# Altium PCB ST1-1-BASIS.PcbDoc (part 6 of 7) (continued)
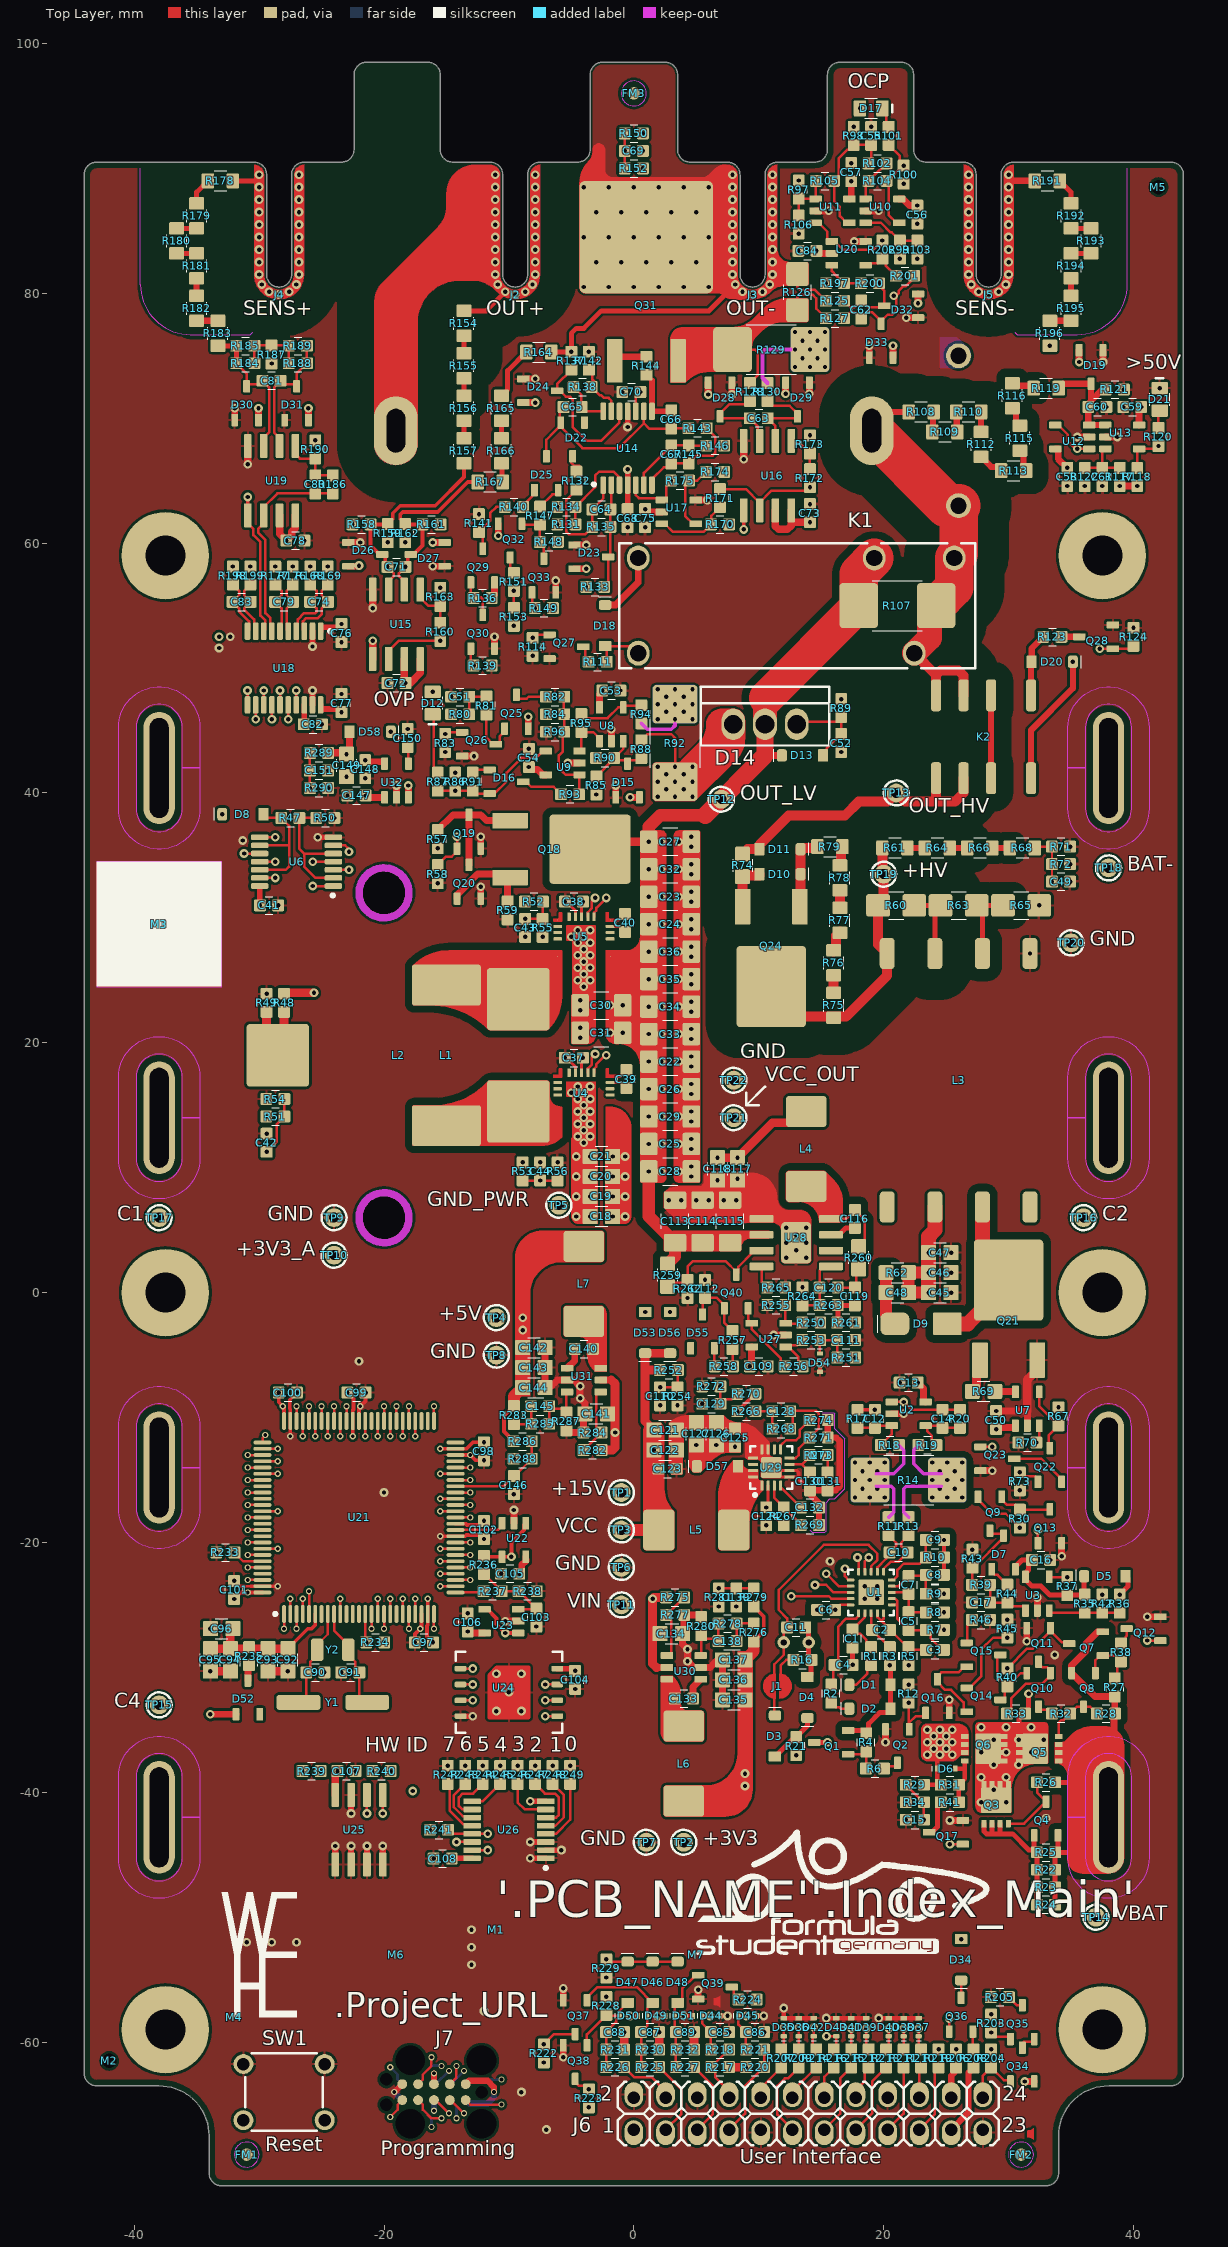
[diagram p0: Top Layer view]
## Nets (pads, with @x,y where several pads share a name; then routed paths per layer and width w, separated by ;. In a path a pad name is that pad's centre, name@x,y a point inside that pad or via, vN(x,y) a via of type N, cw(c..) or ccw(c..) an arc to the next point about the centre after c; other vN are vias at no path point) (continued)
VREF/2: C12.1 R17.1 R146.2 R158.2 R159.2 R161.1 R162.1 R163.2 R170.2 R173.2 R174.1 R176.1 R187.2 R190.2 R197.2 U15.5 U16.5 U18.8 U19.5 U23.1@-9.25,-27.25 U23.4 | length 426.6
  Top Layer w0.2: U19.5@-30.905,62.22 -30.905,61.57 -30.45,61.115 -30.45,60.65 -29.9,60.1 -29.9,54.2 -29.5,53.8 -29.5,53.075 U18.8@-29.625,52.95
  Top Layer w0.3: U19.5@-30.905,62.22 v1(-30.905,63.695) ; U23.4@-11.95,-25.35 -11.725,-25.35 -11,-26.075 -11,-26.55 v1(-10.3,-27.25) U23.1@-9.25,-27.25 ; v1(8.795,61.1) U16.5@8.795,62.62 ; R17.1@17.9,-9.375 v1(19.3,-9.375)
  Top Layer w0.6: U15.5@-20.905,50.72 v1(-20.905,52.195)
  Mid 1 w0.2: v1(-27.3,58.125) -27.8,57.625 -27.8,57.1 -26.5,55.8 -20.034,55.8 -18.934,54.7 -15.3,54.7 -8,62 -8,66.966 -0.866,74.1 1.666,74.1 5.766,70 8.266,70 11.466,66.8 13.8,66.8 14.1,67.1 v1(14.1,68.625)
  Mid 4 w0.3: v1(-30.905,63.695) -26.305,63.695 ; v1(-29,74.375) -29,71.725 v1(-25.5,68.225) -25.5,64.5 -26.305,63.695 ; v1(-22.525,61.5) -21.125,61.5 v1(-19.7,60.075) v1(-18.3,60.075) -18.223,60.152 -16.875,61.5 v1@-15.367,61.5 ; v1(-20.905,52.195) -21.555,52.845 -21.555,55.569 -21.305,55.819 -21.305,56.425 ; v1(-15.475,61.5) -14.975,62 -13.7,62 ; v1(-10.3,-27.25) -9.45,-27.25 -6.1,-23.9 -6.1,-16.5 -3.8,-14.2 ; v1(7.225,67.8) v1(7.225,65.7) 7.625,65.3 v1(7.625,61.5) ; v1(8.795,61.1) 8.025,61.1 v1(7.625,61.5) ; v1(14.1,68.625) 14.6,69.125 14.6,69.9 cw(c19.187,69.9) 15.943,73.143 17,74.2 17,76.4 15.5,77.9 13.2,77.9 ; v1(15.375,80.8) 13.2,78.625 13.2,77.9 ; v1(19.3,-9.375) 22.3,-12.375 22.3,-16.4 21.5,-17.2 11.6,-17.2 8.6,-14.2 -3.8,-14.2 ; -26.305,63.695 -26.305,61.205 -21.525,56.425 -21.305,56.425 ; -21.305,56.425 v1(-15.5,56.425) -15.523,56.448 -15.523,56.852 -15.45,56.925 -15.45,57.975 -13.7,59.725 -13.7,62 ; -13.7,62 -12,63.7 -12,65.925 -11.325,66.6 ; -11.325,66.6 -11.325,70.975 -5.5,76.8 11.6,76.8 12.7,77.9 13.2,77.9 ; -11.325,66.6 -7.6,66.6 -5,64 -5,55.4 ; -5,55.4 1.525,55.4 v1(7.625,61.5) ; -5,55.4 -5,44.696 -7,42.696 -7,30.5 -8.3,29.2 -9.4,29.2 -12,31.8 -12.6,31.8 -14.3,33.5 -16.6,33.5 -20.2,37.1 -22.6,37.1 -23.4,36.3 -24.4,36.3 -25,35.7 -26.2,35.7 -28,37.5 -29.3,37.5 -29.9,36.9 -29.9,32.7 -29.2,32 -29.2,29.3 -30.05,28.45 -30.05,17.35 -28.6,15.9 -28.6,5.6 -22.3,-0.7 -18.5,-0.7 -11,6.8 -11,9.9 -9.4,11.5 -8.6,11.5 -8.2,11.1 -8.2,6.2 -13.6,0.8 -13.6,-4.4 -3.8,-14.2
VREF/2_UC: R237.1 U21.26 | length 2.3
  Top Layer w0.2: U21.26@-14.275,-24 -12.125,-24 R237.1@-12.025,-23.9
VREF_UC: U21.36 U22.3 | length 4.1
  Top Layer w0.2: U21.36@-14.275,-19 -10.875,-19 -10.55,-18.675 U22.3@-10.55,-18.45
pads on no net: D7.1@28,-22.4 D15.1@-2.1,39.4 D16.1@-11.8,42.5 D19.1@38.2,75.7 D22.1 D23.1@-5,60.5 D24.1@-9.1,73.8 D25.1@-8.6,64 D26.1@-23.1,60.7 D27.1@-14.9,57.5 D28.1@8.5,73.1 D29.1@14.7,73.1 D30.1@-32.6,69.6 D31.1@-28.6,69.6 D32.1@23,77.4 D33.1@18.2,74.6 D52.1@-32.5,-34 D52.2 D55.1 FM1.1 FM2.1 FM3.1 FM4.1 FM5.1 FM6.1 J7.M L3.1 L3.4 M2.0 M5.0 Q1.1@17.4,-37.6 Q2.1@22.7,-34.7 Q3.1@27.4,-42.6 Q4.1@31.4,-43.7 Q5.1@34.1,-38.1 Q6.1@26.4,-34.9 Q7.1@37.8,-29.7 Q8.1@37.6,-30.2 Q9.1@30.1,-16.1 Q10.1@34,-30.2 Q11.1@34,-26.6 Q12.1@42.4,-28.5 Q13.1@31.7,-20.3 Q14.1@26.4,-31 Q15.1@26.4,-27.4 Q16.1@22.7,-33.9 Q17.1@26.6,-44.8 Q18.1@-10,36.25 Q19.1@-14.8,35.3 Q20.1@-14.8,31.3 Q21.1@29.25,-5.5 Q22.1@31.7,-15.4 Q23.1@27.5,-11.7 Q24.1@11.75,31 Q25.1@-11,44.9 Q26.1@-14,45.5 Q27.1@-7,53.3 Q28.1@38.6,50.9 Q29.1@-13.7,56.6 Q30.1@-13.7,51.3 Q31.1@-0.3,73.6 Q32.1@-8.3,61.8 Q33.1@-8.8,55.8 Q34.1@29.5,-63.4 Q35.1@29.5,-60 Q36.1@24.6,-59.4 Q37.1@-3.1,-56.4 Q38.1@-3.1,-60 Q39.1@4.9,-54 Q40.1@6.6,-1.5 U1.1@21.2,-25.5 U1.EP@18.44,-23.44 U1.EP@18.44,-24.56 U1.EP@19.56,-23.44 U1.EP@19.56,-24.56 U2.1@20.4,-8.1 U3.1@30.7,-25.7 U4.1 U4.2 U4.3 U4.4 U4.8 U4.9 U4.16 U5.1 U5.2 U5.3 U5.4 U5.8 U5.9 U5.16 U7.1@29.9,-10.9 U8.1@-3.4,43.9 U9.1@-4.1,40.8 U10.1@18.3,88.2 U11.1@14.3,88.2 U12.1@36.7,66.9 U13.1@37.5,70.1 U15.1@-16.3,56 U16.1@13.4,67.9 U17.1@2,64.1 U19.1@-26.3,67.5 U20.1@15.6,84.8 U21.7 U21.11 U21.12 U21.13 U21.19 U21.47 U21.50 U21.52 U21.53 U21.61 U21.83 U21.85 U21.89 U21.91 U21.97 U22.1@-8,-18.2 U23.1@-9,-27.9 U24.1@-14.7,-29.375 U25.1@-24.7,-45.5 U27.1@12.4,-5 U28.1@10.5,6.7 U28.6 U29.10 U29.14 U30.1@5.6,-31.6 U31.1@-5.6,-5.4 U32.1@-20.6,39.4

## Polygon pours and split planes (outlines as drawn)
GND on Top Layer "GND_L01_P320" (solid, remove dead copper, pour order 320): -43,-63 cw(c-43,-62.5) -43.5,-62.5 -43.5,89.5 cw(c-43,89.5) -43,90 -30.5,90 cw(c-30.5,89.5) -30,89.5 -30,81.5 ccw(c-28.5,81.5) -28.5,80 ccw(c-28.5,81.5) -27,81.5 -27,89.5 cw(c-26.5,89.5) -26.5,90 -23.5,90 ccw(c-23.5,91.5) -22,91.5 -22,97.5 cw(c-21.5,97.5) -21.5,98 -16.5,98 cw(c-16.5,97.5) -16,97.5 -16,91.5 ccw(c-14.5,91.5) -14.5,90 -11.5,90 cw(c-11.5,89.5) -11,89.5 -11,81.5 ccw(c-9.5,81.5) -9.5,80 ccw(c-9.5,81.5) -8,81.5 -8,89.5 cw(c-7.5,89.5) -7.5,90 -4.5,90 ccw(c-4.5,91.5) -3,91.5 -3,97.5 cw(c-2.5,97.5) -2.5,98 2.5,98 cw(c2.5,97.5) 3,97.5 3,91.5 ccw(c4.5,91.5) 4.5,90 7.5,90 cw(c7.5,89.5) 8,89.5 8,81.5 ccw(c9.5,81.5) 9.5,80 ccw(c9.5,81.5) 11,81.5 11,89.5 cw(c11.5,89.5) 11.5,90 14.5,90 ccw(c14.5,91.5) 16,91.5 16,97.5 cw(c16.5,97.5) 16.5,98 21.5,98 cw(c21.5,97.5) 22,97.5 22,91.5 ccw(c23.5,91.5) 23.5,90 26.5,90 cw(c26.5,89.5) 27,89.5 27,81.5 ccw(c28.5,81.5) 28.5,80 ccw(c28.5,81.5) 30,81.5 30,89.5 cw(c30.5,89.5) 30.5,90 43,90 cw(c43,89.5) 43.5,89.5 43.5,-62.5 cw(c43,-62.5) 43,-63 38,-63 ccw(c38,-67.5) 33.5,-67.5 33.5,-70.5 cw(c33,-70.5) 33,-71 -33,-71 cw(c-33,-70.5) -33.5,-70.5 -33.5,-67.5 ccw(c-38,-67.5) -38,-63
TERM_N on Top Layer "TERM_N_L01_P319" (solid, remove dead copper, pour order 319): -3.9,80 cw(c-3.9,80.45) -4.35,80.45 -4.35,88.798 cw(c-1.81,88.798) -3.606,90.594 -3.6,90.6 ccw(c-4.324,91.324) -3.3,91.324 -3.3,97.5 cw(c-2.5,97.5) -2.5,98.3 2.5,98.3 cw(c2.5,97.5) 3.3,97.5 3.3,91.5 ccw(c4.5,91.5) 4.5,90.3 7.5,90.3 cw(c7.5,89.5) 8.3,89.5 8.3,82.4 cw(c5.9,82.4) 5.9,80
GND on Bottom Layer "GND_L06_P337" (solid, remove dead copper, pour order 337): -43,-63 cw(c-43,-62.5) -43.5,-62.5 -43.5,89.5 cw(c-43,89.5) -43,90 -30.5,90 cw(c-30.5,89.5) -30,89.5 -30,81.5 ccw(c-28.5,81.5) -28.5,80 ccw(c-28.5,81.5) -27,81.5 -27,89.5 cw(c-26.5,89.5) -26.5,90 -23.5,90 ccw(c-23.5,91.5) -22,91.5 -22,97.5 cw(c-21.5,97.5) -21.5,98 -16.5,98 cw(c-16.5,97.5) -16,97.5 -16,91.5 ccw(c-14.5,91.5) -14.5,90 -11.5,90 cw(c-11.5,89.5) -11,89.5 -11,81.5 ccw(c-9.5,81.5) -9.5,80 ccw(c-9.5,81.5) -8,81.5 -8,89.5 cw(c-7.5,89.5) -7.5,90 -4.5,90 ccw(c-4.5,91.5) -3,91.5 -3,97.5 cw(c-2.5,97.5) -2.5,98 2.5,98 cw(c2.5,97.5) 3,97.5 3,91.5 ccw(c4.5,91.5) 4.5,90 7.5,90 cw(c7.5,89.5) 8,89.5 8,81.5 ccw(c9.5,81.5) 9.5,80 ccw(c9.5,81.5) 11,81.5 11,89.5 cw(c11.5,89.5) 11.5,90 14.5,90 ccw(c14.5,91.5) 16,91.5 16,97.5 cw(c16.5,97.5) 16.5,98 21.5,98 cw(c21.5,97.5) 22,97.5 22,91.5 ccw(c23.5,91.5) 23.5,90 26.5,90 cw(c26.5,89.5) 27,89.5 27,81.5 ccw(c28.5,81.5) 28.5,80 ccw(c28.5,81.5) 30,81.5 30,89.5 cw(c30.5,89.5) 30.5,90 43,90 cw(c43,89.5) 43.5,89.5 43.5,-62.5 cw(c43,-62.5) 43,-63 38,-63 ccw(c38,-67.5) 33.5,-67.5 33.5,-70.5 cw(c33,-70.5) 33,-71 -33,-71 cw(c-33,-70.5) -33.5,-70.5 -33.5,-67.5 ccw(c-38,-67.5) -38,-63
TERM_N on Bottom Layer "TERM_N_L06_P336" (solid, remove dead copper, pour order 336): 9.5,79.5 11.448,79.5 cw(c11.448,76.96) 13.244,78.756 17.256,74.744 ccw(c19.052,76.54) 19.052,74 26,74 ccw(c26,75) 26.707,74.293 ccw(c26,75) 27,75 ccw(c26,75) 26.707,75.707 22.744,79.67 cw(c24.54,81.466) 22,81.466 22,87.76 ccw(c19.46,87.76) 19.46,90.3 11.5,90.3 ccw(c11.5,89.5) 10.7,89.5 10.7,81.5 cw(c9.5,81.5) 9.5,80.3
TERM_N on Bottom Layer "TERM_N_L06_P335" (solid, remove dead copper, pour order 335): -3.9,80 cw(c-3.9,80.45) -4.35,80.45 -4.35,88.55 cw(c-2.177,88.55) -3.714,90.086 -3.495,90.305 ccw(c-4.69,91.5) -3,91.5 -3,97.5 cw(c-2.5,97.5) -2.5,98 2.5,98 cw(c2.5,97.5) 3,97.5 3,91.5 ccw(c4.5,91.5) 4.5,90 7,90 7,80
GND on Mid 4 "GND_L05_P334" (solid, remove dead copper, pour order 334): -43,-63 cw(c-43,-62.5) -43.5,-62.5 -43.5,89.5 cw(c-43,89.5) -43,90 -30.5,90 cw(c-30.5,89.5) -30,89.5 -30,81.5 ccw(c-28.5,81.5) -28.5,80 ccw(c-28.5,81.5) -27,81.5 -27,89.5 cw(c-26.5,89.5) -26.5,90 -23.5,90 ccw(c-23.5,91.5) -22,91.5 -22,97.5 cw(c-21.5,97.5) -21.5,98 -16.5,98 cw(c-16.5,97.5) -16,97.5 -16,91.5 ccw(c-14.5,91.5) -14.5,90 -11.5,90 cw(c-11.5,89.5) -11,89.5 -11,81.5 ccw(c-9.5,81.5) -9.5,80 ccw(c-9.5,81.5) -8,81.5 -8,89.5 cw(c-7.5,89.5) -7.5,90 -4.5,90 ccw(c-4.5,91.5) -3,91.5 -3,97.5 cw(c-2.5,97.5) -2.5,98 2.5,98 cw(c2.5,97.5) 3,97.5 3,91.5 ccw(c4.5,91.5) 4.5,90 7.5,90 cw(c7.5,89.5) 8,89.5 8,81.5 ccw(c9.5,81.5) 9.5,80 ccw(c9.5,81.5) 11,81.5 11,89.5 cw(c11.5,89.5) 11.5,90 14.5,90 ccw(c14.5,91.5) 16,91.5 16,97.5 cw(c16.5,97.5) 16.5,98 21.5,98 cw(c21.5,97.5) 22,97.5 22,91.5 ccw(c23.5,91.5) 23.5,90 26.5,90 cw(c26.5,89.5) 27,89.5 27,81.5 ccw(c28.5,81.5) 28.5,80 ccw(c28.5,81.5) 30,81.5 30,89.5 cw(c30.5,89.5) 30.5,90 43,90 cw(c43,89.5) 43.5,89.5 43.5,-62.5 cw(c43,-62.5) 43,-63 38,-63 ccw(c38,-67.5) 33.5,-67.5 33.5,-70.5 cw(c33,-70.5) 33,-71 -33,-71 cw(c-33,-70.5) -33.5,-70.5 -33.5,-67.5 ccw(c-38,-67.5) -38,-63
GND_PWR on Mid 4 "GND_PWR_L05_P333" (solid, remove dead copper, pour order 333): 18,-8.297 ccw(c19.527,-8.297) 18.447,-9.376 11.376,-16.447 -2.414,-2.657 cw(c6.243,6) -6,6 -6,40.948 cw(c-3.46,40.948) -5.256,42.744 9.256,57.256 ccw(c7.46,59.052) 10,59.052 10,73.516 cw(c12.54,73.516) 10.744,75.312 12.641,77.209 cw(c12.86,76.99) 12.86,77.3 15.34,77.3 cw(c15.34,76.99) 15.559,77.209 17.256,75.512 cw(c15.46,73.716) 18,73.716
TERM_N on Mid 4 "TERM_N_L05_P332" (solid, remove dead copper, pour order 332): 9.5,79.5 11.448,79.5 cw(c11.448,76.96) 13.244,78.756 17.256,74.744 ccw(c19.052,76.54) 19.052,74 26,74 ccw(c26,75) 26.707,74.293 ccw(c26,75) 27,75 ccw(c26,75) 26.707,75.707 22.744,79.67 cw(c24.54,81.466) 22,81.466 22,87.76 ccw(c19.46,87.76) 19.46,90.3 11.5,90.3 ccw(c11.5,89.5) 10.7,89.5 10.7,81.5 cw(c9.5,81.5) 9.5,80.3
+3V3 on Mid 3 (PWR) "+3V3_L04_P331" (solid, remove dead copper, pour order 331): -43,-63 cw(c-43,-62.5) -43.5,-62.5 -43.5,89.5 cw(c-43,89.5) -43,90 -30.5,90 cw(c-30.5,89.5) -30,89.5 -30,81.5 ccw(c-28.5,81.5) -28.5,80 ccw(c-28.5,81.5) -27,81.5 -27,89.5 cw(c-26.5,89.5) -26.5,90 -23.5,90 ccw(c-23.5,91.5) -22,91.5 -22,97.5 cw(c-21.5,97.5) -21.5,98 -16.5,98 cw(c-16.5,97.5) -16,97.5 -16,91.5 ccw(c-14.5,91.5) -14.5,90 -11.5,90 cw(c-11.5,89.5) -11,89.5 -11,81.5 ccw(c-9.5,81.5) -9.5,80 ccw(c-9.5,81.5) -8,81.5 -8,89.5 cw(c-7.5,89.5) -7.5,90 -4.5,90 ccw(c-4.5,91.5) -3,91.5 -3,97.5 cw(c-2.5,97.5) -2.5,98 2.5,98 cw(c2.5,97.5) 3,97.5 3,91.5 ccw(c4.5,91.5) 4.5,90 7.5,90 cw(c7.5,89.5) 8,89.5 8,81.5 ccw(c9.5,81.5) 9.5,80 ccw(c9.5,81.5) 11,81.5 11,89.5 cw(c11.5,89.5) 11.5,90 14.5,90 ccw(c14.5,91.5) 16,91.5 16,97.5 cw(c16.5,97.5) 16.5,98 21.5,98 cw(c21.5,97.5) 22,97.5 22,91.5 ccw(c23.5,91.5) 23.5,90 26.5,90 cw(c26.5,89.5) 27,89.5 27,81.5 ccw(c28.5,81.5) 28.5,80 ccw(c28.5,81.5) 30,81.5 30,89.5 cw(c30.5,89.5) 30.5,90 43,90 cw(c43,89.5) 43.5,89.5 43.5,-62.5 cw(c43,-62.5) 43,-63 38,-63 ccw(c38,-67.5) 33.5,-67.5 33.5,-70.5 cw(c33,-70.5) 33,-71 -33,-71 cw(c-33,-70.5) -33.5,-70.5 -33.5,-67.5 ccw(c-38,-67.5) -38,-63
BAT- on Mid 3 (PWR) "BAT-_L04_P329" (solid, remove dead copper, pour order 329): 39.5,46.5 cw(c39.5,45) 41,45 41,41.741 ccw(c41.341,41.741) 41.1,41.5 cw(c40.859,41.259) 41.2,41.259 41.2,24.8 cw(c40.476,24.8) 40.988,24.288 35.441,18.741 ccw(c35.783,18.4) 35.3,18.4 35.3,-2.848 cw(c32.76,-2.848) 34.556,-4.644 27.9,-11.3 ccw(c29.107,-12.507) 27.4,-12.507 27.4,-14.816 cw(c24.86,-14.816) 26.656,-16.612 26.559,-16.709 cw(c26.34,-16.49) 26.34,-16.8 21.3,-16.8 cw(c21.3,-16.5) 21,-16.5 21,-13.6 ccw(c20.1,-13.6) 20.1,-12.7 17.7,-12.7 cw(c17.7,-12) 17,-12 17,-8 cw(c18,-8) 18,-7 ccw(c18,1) 26,1 26,43.96 cw(c28.54,43.96) 28.54,46.5
BAT- on Mid 3 (PWR) "BAT-_L04_P327" (solid, remove dead copper, pour order 327): 17.5,-18 ccw(c17.5,-21) 14.5,-21 14.5,-28 ccw(c15.707,-28) 14.854,-28.854 15.756,-29.756 ccw(c17.552,-27.96) 17.552,-30.5 21.748,-30.5 ccw(c21.748,-27.96) 23.544,-29.756 25.256,-28.044 ccw(c23.46,-26.248) 26,-26.248 26,-24 cw(c27.449,-24) 26.424,-22.976 28.434,-20.966 ccw(c27.069,-19.6) 29,-19.6 29,-19 ccw(c28,-19) 28,-18
VIN on Mid 3 (PWR) "VIN_L04_P330" (solid, remove dead copper, pour order 330): 26,2 ccw(c24,2) 24,4 23.5,4 ccw(c23.5,2.5) 22,2.5 cw(c17.5,2.5) 17.5,-2 13,-2 cw(c13,11) 0,11 ccw(c-1,11) -1,12 -6.5,12 ccw(c-6.5,9.5) -9,9.5 -9,-18 ccw(c12,-18) 12,-39 21.879,-39 ccw(c21.879,-33.379) 25.854,-37.354 ccw(c25.5,-37) 26,-37
OUT_LV on Mid 3 (PWR) "OUT_LV_L04_P325" (solid, remove dead copper, pour order 325): 2.6,36.1 ccw(c2.2,36.1) 2.2,36.5 1.2,36.5 ccw(c1.2,36.1) 0.8,36.1 0.8,25.1 cw(c-0.9,25.1) -0.9,23.4 -1.9,23.4 ccw(c-1.9,23) -2.3,23 -2.3,20.8 ccw(c-1.9,20.8) -1.9,20.4 -0.9,20.4 cw(c-0.9,18.7) 0.8,18.7 0.8,9.7 ccw(c1.2,9.7) 1.2,9.3 2.2,9.3 ccw(c2.2,9.7) 2.6,9.7
+15V on Mid 3 (PWR) "+15V_L04_P326" (solid, remove dead copper, pour order 326): 32.8,-6.8 35.6,-9.6 35.6,-15.1 34.2,-16.5 29.9,-16.5 27.4,-19 26.4,-18 26.4,-17.6 27.4,-16.6 27.4,-12.2
+15V on Mid 3 (PWR) "+15V_L04_P328" (solid, remove dead copper, pour order 328): -1.9,-11 cw(c0.1,-11) 0.1,-9 16.3,-9 cw(c16.3,-9.5) 16.8,-9.5 16.8,-12.969 cw(c6.586,-12.969) 13.808,-20.192 cw(c2.442,-8.825) 2.441,-24.9 cw(c2.441,-24.559) 2.2,-24.8 cw(c12.098,-14.902) -1.9,-14.902
GND on Mid 1 "GND_L02_P323" (solid, remove dead copper, pour order 323): -43,-63 cw(c-43,-62.5) -43.5,-62.5 -43.5,89.5 cw(c-43,89.5) -43,90 -30.5,90 cw(c-30.5,89.5) -30,89.5 -30,81.5 ccw(c-28.5,81.5) -28.5,80 ccw(c-28.5,81.5) -27,81.5 -27,89.5 cw(c-26.5,89.5) -26.5,90 -23.5,90 ccw(c-23.5,91.5) -22,91.5 -22,97.5 cw(c-21.5,97.5) -21.5,98 -16.5,98 cw(c-16.5,97.5) -16,97.5 -16,91.5 ccw(c-14.5,91.5) -14.5,90 -11.5,90 cw(c-11.5,89.5) -11,89.5 -11,81.5 ccw(c-9.5,81.5) -9.5,80 ccw(c-9.5,81.5) -8,81.5 -8,89.5 cw(c-7.5,89.5) -7.5,90 -4.5,90 ccw(c-4.5,91.5) -3,91.5 -3,97.5 cw(c-2.5,97.5) -2.5,98 2.5,98 cw(c2.5,97.5) 3,97.5 3,91.5 ccw(c4.5,91.5) 4.5,90 7.5,90 cw(c7.5,89.5) 8,89.5 8,81.5 ccw(c9.5,81.5) 9.5,80 ccw(c9.5,81.5) 11,81.5 11,89.5 cw(c11.5,89.5) 11.5,90 14.5,90 ccw(c14.5,91.5) 16,91.5 16,97.5 cw(c16.5,97.5) 16.5,98 21.5,98 cw(c21.5,97.5) 22,97.5 22,91.5 ccw(c23.5,91.5) 23.5,90 26.5,90 cw(c26.5,89.5) 27,89.5 27,81.5 ccw(c28.5,81.5) 28.5,80 ccw(c28.5,81.5) 30,81.5 30,89.5 cw(c30.5,89.5) 30.5,90 43,90 cw(c43,89.5) 43.5,89.5 43.5,-62.5 cw(c43,-62.5) 43,-63 38,-63 ccw(c38,-67.5) 33.5,-67.5 33.5,-70.5 cw(c33,-70.5) 33,-71 -33,-71 cw(c-33,-70.5) -33.5,-70.5 -33.5,-67.5 ccw(c-38,-67.5) -38,-63
GND_PWR on Mid 1 "GND_PWR_L02_P322" (solid, remove dead copper, pour order 322): -26,25 cw(c-25,25) -25,26 -8,26 ccw(c-8,28) -6,28 -6,29 cw(c-5,29) -5,30 -3,30 ccw(c-3,32) -1,32 -1,36 cw(c0,36) 0,37 5,37 cw(c5,36) 6,36 6,9 cw(c5,9) 5,8 4.052,8 ccw(c4.052,5.46) 2.256,7.256 0.707,5.707 cw(c-1,7.414) -1,5 -6,5 cw(c-6,6) -7,6 -7,11 ccw(c-8,11) -8,12 -25,12 cw(c-25,13) -26,13
OUT on Mid 1 "OUT_L02_P321" (solid, remove dead copper, pour order 321): 22,50 23,50 ccw(c23,56) 29,56 29,62 ccw(c19,62) 19,72 ccw(c19,70) 17,70 17,68 ccw(c19,68) 19,66 cw(c19,63) 22,63 22,58.052 cw(c19.46,58.052) 21.256,56.256 20.744,55.744 ccw(c22.54,53.948) 20,53.948 20,52 ccw(c22,52)
GND on Mid 2 (GND) "GND_L03_P324" (solid, remove dead copper, pour order 324): -43,-63 cw(c-43,-62.5) -43.5,-62.5 -43.5,89.5 cw(c-43,89.5) -43,90 -30.5,90 cw(c-30.5,89.5) -30,89.5 -30,81.5 ccw(c-28.5,81.5) -28.5,80 ccw(c-28.5,81.5) -27,81.5 -27,89.5 cw(c-26.5,89.5) -26.5,90 -23.5,90 ccw(c-23.5,91.5) -22,91.5 -22,97.5 cw(c-21.5,97.5) -21.5,98 -16.5,98 cw(c-16.5,97.5) -16,97.5 -16,91.5 ccw(c-14.5,91.5) -14.5,90 -11.5,90 cw(c-11.5,89.5) -11,89.5 -11,81.5 ccw(c-9.5,81.5) -9.5,80 ccw(c-9.5,81.5) -8,81.5 -8,89.5 cw(c-7.5,89.5) -7.5,90 -4.5,90 ccw(c-4.5,91.5) -3,91.5 -3,97.5 cw(c-2.5,97.5) -2.5,98 2.5,98 cw(c2.5,97.5) 3,97.5 3,91.5 ccw(c4.5,91.5) 4.5,90 7.5,90 cw(c7.5,89.5) 8,89.5 8,81.5 ccw(c9.5,81.5) 9.5,80 ccw(c9.5,81.5) 11,81.5 11,89.5 cw(c11.5,89.5) 11.5,90 14.5,90 ccw(c14.5,91.5) 16,91.5 16,97.5 cw(c16.5,97.5) 16.5,98 21.5,98 cw(c21.5,97.5) 22,97.5 22,91.5 ccw(c23.5,91.5) 23.5,90 26.5,90 cw(c26.5,89.5) 27,89.5 27,81.5 ccw(c28.5,81.5) 28.5,80 ccw(c28.5,81.5) 30,81.5 30,89.5 cw(c30.5,89.5) 30.5,90 43,90 cw(c43,89.5) 43.5,89.5 43.5,-62.5 cw(c43,-62.5) 43,-63 38,-63 ccw(c38,-67.5) 33.5,-67.5 33.5,-70.5 cw(c33,-70.5) 33,-71 -33,-71 cw(c-33,-70.5) -33.5,-70.5 -33.5,-67.5 ccw(c-38,-67.5) -38,-63

## Keep-outs
Top Layer:
  lines w0.05: 14.1,-19 14.3,-19.2 15.3,-19.2 15.4,-19.1 15.4,-16.8 15.7,-16.5 16.1,-16.5 16.9,-15.7 16.9,-11.7 16.1,-10.9 16.1,-9.7 16,-9.6 15.1,-9.6
  lines w0.1: -39.5,90 -39.5,80.7 ccw(c-35.5,80.7) -35.5,76.7 -30.7,76.7 -30.5,76.9 ; 30.5,76.9 30.7,76.7 35.5,76.7 ccw(c35.5,80.7) 39.5,80.7 39.5,90
  lines w0.3: 0.6,45.575 1.075,45.1 3,45.1 3.3,45.4 3.3,45.55 ; 10.7,72.825 10.3,73.225 10.3,75.3 10.5,75.5 12.55,75.5 ; 19.4,-15.5 20.6,-15.5 20.8,-15.7 20.8,-17.575 20.4,-17.975 ; 19.4,-14.5 20.8,-14.5 21.6,-13.7 21.6,-12.625 21.2,-12.225 ; 22,-17.975 21.6,-17.575 21.6,-15.7 21.8,-15.5 24.6,-15.5 ; 22.8,-12.225 22.4,-12.625 22.4,-13.7 23.2,-14.5 24.6,-14.5
Mid 1:
  region: 3.75,-32.88 ccw(c4.32,-32.88) 4.32,-33.45 5.375,-33.45 cw(c5.375,-33.7) 5.625,-33.7 5.625,-35.7 cw(c5.375,-35.7) 5.375,-35.95 2.625,-35.95 cw(c2.625,-35.7) 2.448,-35.877 cw(c3.168,-35.157) 2.15,-35.157 2.15,-30.744 cw(c2.219,-30.744) 2.219,-30.675 3.081,-30.675 cw(c3.081,-30.744) 3.13,-30.695 3.181,-30.746 cw(c1.807,-32.12) 3.75,-32.12
  region: -3.75,-4.12 ccw(c-4.32,-4.12) -4.32,-3.55 -5.375,-3.55 cw(c-5.375,-3.3) -5.625,-3.3 -5.625,-1.3 cw(c-5.375,-1.3) -5.375,-1.05 -2.625,-1.05 cw(c-2.625,-1.3) -2.448,-1.123 cw(c-3.168,-1.843) -2.15,-1.843 -2.15,-6.256 cw(c-2.219,-6.256) -2.219,-6.325 -3.081,-6.325 cw(c-3.081,-6.256) -3.13,-6.305 -3.181,-6.254 cw(c-1.807,-4.88) -3.75,-4.88
  region: 33.5,4.5 ccw(c33,4.5) 33,5 29.5,5 cw(c29.5,5.5) 29,5.5 29,8 ccw(c28.5,8) 28.5,8.5 27,8.5 ccw(c27,8) 26.5,8 26.5,-0.5 cw(c26,-0.5) 26,-1 22,-1 cw(c22,-0.5) 21.5,-0.5 21.5,2 ccw(c21,2) 21,2.5 20,2.5 ccw(c20,2) 19.5,2 19.5,-3.5 ccw(c20,-3.5) 20,-4 33,-4 ccw(c33,-3.5) 33.5,-3.5
  region: 10.375,-15.112 ccw(c10.313,-15.112) 10.313,-15.05 10.187,-15.05 cw(c10.187,-14.813) 9.95,-14.812 9.95,-14.187 ccw(c9.888,-14.187) 9.888,-14.125 9.212,-14.125 cw(c9.212,-13.662) 8.75,-13.662 8.75,-13.44 ccw(c8.71,-13.44) 8.71,-13.4 7.99,-13.4 ccw(c7.99,-13.44) 7.962,-13.412 ccw(c10.887,-16.337) 6.75,-16.337 6.75,-20.375 ccw(c7,-20.375) 7,-20.625 9,-20.625 ccw(c9,-20.375) 9.25,-20.375 9.25,-18.503 cw(c13.028,-18.503) 10.357,-15.832 ccw(c10.312,-15.787) 10.375,-15.788
  region: 14.825,5.676 ccw(c13.251,5.676) 13.251,7.25 12.425,7.25 cw(c12.425,7.5) 12.175,7.5 12.175,9.5 cw(c12.425,9.5) 12.425,9.75 15.175,9.75 cw(c15.175,9.5) 15.352,9.677 15.991,9.038 cw(c14.195,7.241) 16.735,7.241 16.735,5.676 cw(c16.659,5.676) 16.659,5.6 14.901,5.6 cw(c14.901,5.676)
  region: -11.5,21 -7,21 ccw(c-7,21.25) -6.823,21.073 ccw(c-9.414,23.664) -5.75,23.664 -5.75,27.35 ccw(c-5.8,27.35) -5.8,27.4 -14.811,27.4 ccw(c-14.811,23.311) -17.702,26.202 ccw(c-17.588,26.088) -17.75,26.088 -17.75,23.163 ccw(c-17.588,23.163) -17.588,23 -16.328,23 cw(c-16.328,16.422) -11.677,21.073 ccw(c-11.5,21.25)
  region: -17.588,11.75 -7.369,11.75 ccw(c-7.369,14.019) -5.765,12.415 ccw(c-5.8,12.45) -5.75,12.45 -5.75,14.85 ccw(c-5.8,14.85) -5.8,14.9 cw(c-5.8,15.85) -6.75,15.85 -6.75,16.75 ccw(c-7,16.75) -7,17 -11.5,17 ccw(c-11.5,16.75) -11.677,16.927 -11.846,16.758 cw(c-16.09,21.002) -16.09,15 -17.588,15 ccw(c-17.588,14.838) -17.75,14.838 -17.75,11.912 ccw(c-17.588,11.912)
  lines w0.1: -39.5,90 -39.5,80.7 ccw(c-35.5,80.7) -35.5,76.7 -30.7,76.7 -30.5,76.9 ; -27.801,58.125 cw(c-27.3,58.125) -27.3,57.624 ; -14.3,67 -13.8,67 -11.7,69.1 -11.7,74.2 -9.5,76.4 ; 13.746,68.271 cw(c14.1,68.625) 14.454,68.271 ; 32.6,78.6 35.275,78.6 36.003,77.872 38.328,77.872 ccw(c35.5,80.7) 39.5,80.7 39.5,90 ; 5.7,21.24 ccw(c8.24,21.24) 8.24,18.7 21.548,18.7 ccw(c21.548,21.24) 23.344,19.444 30.756,26.856 ccw(c28.96,28.652) 31.5,28.652 31.5,49.01 ccw(c29.11,49.01) 30.8,50.7 cw(c32.007,51.907) 30.3,51.907 30.3,71.13 ccw(c29.03,71.13) 29.03,72.4 23.77,72.4 cw(c23.77,75.466) 21.602,73.298 21.498,73.402 ccw(c19.33,71.234) 19.33,74.3 19,74.3 ccw(c19,70.1) 14.8,70.1 14.8,67.47 ccw(c17.866,67.47) 15.698,65.302 16.464,64.536 ccw(c18,66.073) 18,63.9 cw(c18,63.659) 18.171,63.829 21.034,60.966 cw(c19.669,59.6) 21.6,59.6 21.6,58.6 cw(c20.876,58.6) 21.388,58.088 20.844,57.544 ccw(c22.64,55.748) 20.1,55.748 20.1,54.183 cw(c19.417,54.183) 19.9,53.7 19.798,53.598 ccw(c21.966,51.43) 18.9,51.43 18.9,50.752 ccw(c21.44,50.752) 19.644,48.956 20.556,48.044 cw(c18.76,46.248) 21.3,46.248 21.3,44.74 cw(c18.76,44.74) 18.76,42.2 17.752,42.2 ccw(c17.752,39.66) 15.956,41.456 15.9,41.4 cw(c15.176,42.124) 15.176,41.1 10.952,41.1 ccw(c10.952,38.56) 9.156,40.356 6.3,37.5 ccw(c7.749,36.051) 5.7,36.051 5.7,21.24
Mid 3 (PWR):
  lines w0.4: 29,-18 30.1,-16.9 31.4,-16.9 32.1,-16.2 35.1,-16.2 36,-15.3 36,-2.8 34.4,-1.2 34.4,6.7 35.7,8 35.7,18.4 41.6,24.3 41.6,41.4 41,42
Keep-Out Layer:
  circle w0.6: c-20,32 r2
  circle w0.6: c-20,6 r2